# KiCad board st251_20934.kicad_pcb (continued)
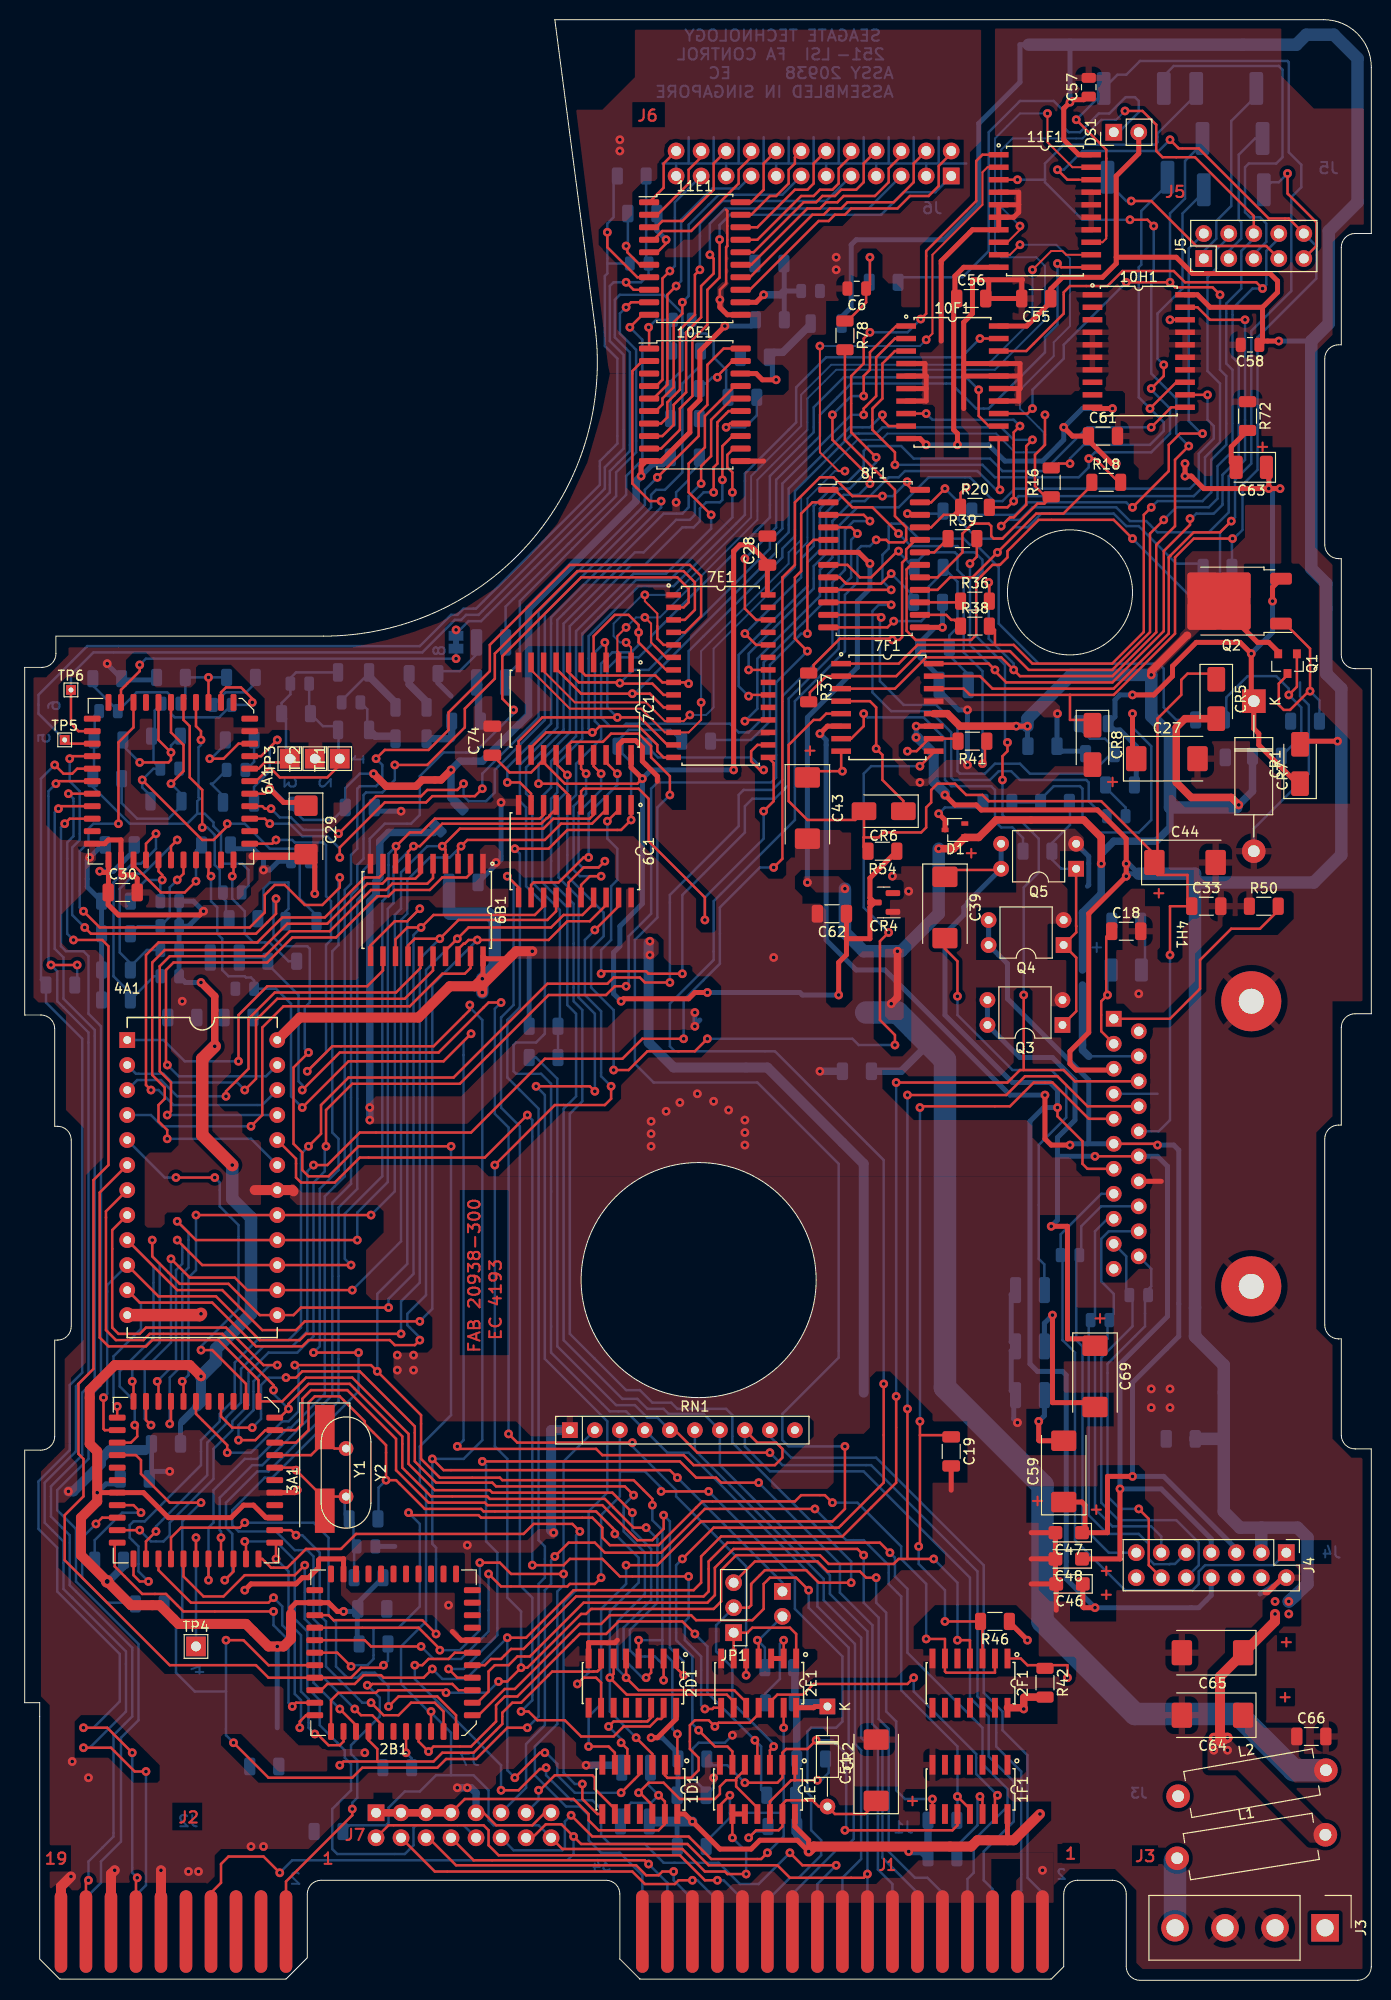
[diagram p0: board, top side]
## Routing (per net, layer and track width the routed paths; a pad name or vN(x,y) marks a point on that pad's centre or on a via; arc(x,y) is an arc through that point) (continued)
  Bottom w0.254: v1(13.46,60.83) 15.37,62.74 15.37,72.14 16,72.77 16,74.68 v1(15.49,75.18) ; v1(33.15,72.64) 32.51,73.28 32.51,77.85 36.32,81.66 36.32,109.6 36.96,110.24 36.96,114.43 v1(37.72,115.19)
/Digital/D6: length 104.1
  Top w0.254: v1(15.49,77.09) 17.4,75.18 v1(33.78,75.18) ; v1(14.73,56.52) 14.86,56.64 3A1.14 ; 6B1.7 38.93,114.63 v1(39.5,115.19) 40.13,115.19 42.42,117.48 52.46,117.48 53.04,118.05 53.12,118.05 53.31,118.24 53.31,118.32 53.98,118.99 6C1.7
  Bottom w0.254: v1(14.73,56.52) 14.73,61.21 16,62.48 16,71.76 16.64,72.39 16.64,75.95 v1(15.49,77.09) ; v1(33.78,75.18) 33.78,77.98 36.88,81.08 36.88,108.83 37.46,109.42 37.46,113.16 v1(39.5,115.19)
/Digital/D7: length 98.3
  Top w0.254: v1(16,60.83) 16.13,60.71 3A1.13 ; 6C1.4 57.79,118.38 57.39,117.98 53.7,117.98 52.68,116.97 44.2,116.97 v1(42.42,115.19) 42.74,114.86 6B1.4 ; v1(17.4,77.72) v1(35.18,77.72)
  Bottom w0.254: v1(16,60.83) 16.64,61.47 16.64,71.37 17.4,72.14 v1(17.4,77.72) ; v1(42.42,115.19) 40.89,115.19 38.23,112.52 38.23,108.84 37.59,108.2 37.59,80.14 v1(35.18,77.72)
/Digital/DEBUG_PIN: length 15
  Top w0.254: v1(7.24,46.36) 7.88,46.99 3A1.26
  Bottom w0.254: v1(7.24,46.36) 5.84,44.96 5.84,40.89 8.38,38.35 11.36,38.35
/Digital/DIRECTION: length 21.5
  Top w0.254: 57.79,124.46 57.79,123.32 v1(58.55,122.56) ; 6C1.15 55.24,111.51 56.77,113.03 58.29,113.03 v1(58.93,113.67)
  Bottom w0.254: v1(58.93,113.67) 58.29,113.03 56.64,113.03 56.26,113.41 56.26,118.62 58.55,120.9 v1(58.55,122.56)
/Digital/EMS: length 18.5
  Top w0.254: 2E1.11 74.55,27.05 73.66,26.16 70.48,26.16 v1(70.1,25.78) 69.47,26.42 68.07,26.42 67.56,25.91 67.56,23.5 68.45,22.61 68.45,21.34 67.68,20.56 65.29,20.56 65.02,20.83 1D1.2
/Digital/MCU_INDEX: length 35.3
  Top w0.254: 33.65,25.27 33.65,25.91 v1(32,27.56) ; v1(28.45,42.16) 27.43,41.15 22.35,41.15 20.19,38.99 18.16,38.99 16.13,41.02 3A1.33
  Bottom w0.254: v1(32,27.56) 29.34,30.23 29.34,35.81 28.45,36.7 v1(28.45,42.16)
/Digital/PA2: length 31.2
  Top w0.254: 2B1.39 28.57,26.92 27.94,26.29 v1(27.94,25.65) ; v1(25.27,38.86) 24.77,38.35 16.89,38.35 13.59,41.66 3A1.31
  Bottom w0.254: v1(25.27,38.86) 26.16,37.97 26.16,36.07 27.43,34.8 27.43,29.08 28.07,28.45 28.07,26.29 27.94,26.16 v1(27.94,25.65)
/Digital/PHI2: length 94.4
  Top w0.254: 2D1.6 59.82,31.12 v1(59.44,30.73) 61.15,29.02 71.31,29.02 72.01,28.32 2E1.9 ; v1(62.1,24.64) 63.75,22.99 1D1.3 ; 3A1.4 27.56,54.61 28.83,55.88 28.83,58.67 29.46,59.31 32,59.31 34.54,56.77 34.54,56.52 36.7,54.36 v1(36.7,50.8) 37.72,50.8 40.64,47.88 46.35,47.88 46.61,47.62 58.04,47.62 59.94,45.72 v1(59.94,45.34)
  Bottom w0.254: R80.2 35.94,46.92 35.94,50.04 v1(36.7,50.8) ; v1(59.94,45.34) 62.36,42.93 62.36,40.39 59.44,37.47 v1(59.44,30.73) 59.44,27.31 v1(62.1,24.64)
/Digital/R/~{W}: length 92.7
  Top w0.254: v1(26.54,61.21) 27.56,61.21 28.19,61.85 34.04,61.85 39.62,56.26 39.62,52.71 41.78,50.55 47.5,50.55 47.88,50.17 60.96,50.17 v1(61.85,49.28) ; 2E1.10 73.28,28.25 72.06,29.46 71.75,29.46 71.75,29.47 62.35,29.47 v1(61.09,30.73) 2D1.5 ; v1(23.11,56.13) 21.08,56.13 19.94,57.28 3A1.10
  Bottom w0.254: v1(26.54,61.21) 24.77,61.21 24,60.45 24,57.02 v1(23.11,56.13) ; v1(61.09,30.73) 60.2,31.62 60.2,36.45 62.99,39.24 62.99,43.43 60.83,45.59 60.83,48.26 v1(61.85,49.28)
/Digital/~{0100}: length 107.3
  Top w0.254: 6C1.11 50.16,111 v1(49.02,112.14) ; v1(50.42,27.31) 51.18,27.31 52.07,26.42 54.86,26.42 56.51,24.77 59.82,24.77 60.83,25.78 63.5,25.78 64.26,26.54 64.64,26.54 64.9,26.8 2D1.15
  Bottom w0.254: v1(49.02,112.14) 49.66,111.51 49.66,99.06 48.39,97.79 48.39,88.65 50.29,86.74 50.29,40.13 51.56,38.86 51.56,28.45 v1(50.42,27.31)
/Digital/~{0101}: length 10.4
  Top w0.254: 2D1.14 63.63,26.67 63.25,26.29 59.82,26.29 v1(59.31,25.78) ; v1(60.58,24.13) 61.21,23.5 1D1.5
  Bottom w0.254: v1(60.58,24.13) 60.58,24.51 v1(59.31,25.78)
/Digital/~{0105}: length 113.1
  Top w0.254: v1(56.13,30.1) 56.77,30.73 58.04,30.73 58.55,30.23 2D1.10 ; 53.98,124.46 53.98,123.57 v1(55.12,122.43) ; v1(57.91,90.3) 57.4,90.81 v1(51.94,90.81)
  Bottom w0.254: v1(57.91,90.3) 57.91,98.17 56.26,99.82 56.26,109.98 54.23,112.01 54.23,119.89 55.12,120.78 v1(55.12,122.43) ; v1(51.94,90.81) 52.83,89.92 52.83,63.12 59.18,56.77 59.18,49.53 57.28,47.62 57.28,31.24 v1(56.13,30.1)
/Digital/~{0107}: length 35.7
  Top w0.254: 35.81,22.23 35.81,23.5 34.92,24.39 2B1.43 ; 35.81,22.23 41.53,22.23 42.42,23.11 45.59,23.11 48.51,26.04 48.51,27.18 49.53,28.19 50.42,28.19 53.58,31.36 57.77,31.36 57.79,31.37 58.17,31.37 58.55,31.75 2D1.7 ; 35.81,22.23 32.38,22.23 v1(32,21.84)
/Digital/~{EMS}: length 153.7
  Top w0.254: v1(63.75,48.26) 63.75,48.9 61.85,50.8 48.51,50.8 48.26,51.05 42.16,51.05 40.26,52.96 40.26,57.4 v1(35.81,61.85) 35.18,62.48 v1(27.43,62.48) ; v1(40.13,108.84) 38.86,107.57 37.59,107.57 35.12,105.1 6B1.11 ; v1(66.29,25.02) 1D1.1 ; v1(62.36,34.54) 2D1.4 ; 3A1.12 17.4,57.53 20.57,54.36 v1(20.57,53.59)
  Bottom w0.254: v1(35.81,61.85) 35.81,69.72 38.86,72.77 38.86,107.57 v1(40.13,108.84) ; 64.77,34.54 v1(62.36,34.54) ; 64.77,34.54 64.77,45.72 63.75,46.74 v1(63.75,48.26) ; 64.77,34.54 64.77,33.4 65.79,32.39 65.79,25.53 v1(66.29,25.02) ; v1(27.43,62.48) 27.81,62.1 27.81,57.79 26.8,56.77 26.16,56.77 22.99,53.59 v1(20.57,53.59)
/Digital/~{HALFSTEP}: length 19.1
  Top w0.254: v1(57.02,122.56) 56.51,123.06 56.51,124.46 ; 6C1.16 56.51,111.25 57.4,112.14 v1(58.55,112.14)
  Bottom w0.254: v1(57.02,122.56) 57.02,120.52 55.75,119.25 55.75,112.78 56.39,112.14 v1(58.55,112.14)
/Digital/~{LATCHED_DIR}: length 25.7
  Top w0.254: 2B1.41 32.38,24.26 32,23.88 30.86,23.88 29.72,25.02 v1(29.46,25.02) ; v1(25.53,42.8) 25.53,44.32 3A1.40
  Bottom w0.254: v1(29.46,25.02) 28.83,25.65 28.83,28.58 28.07,29.34 28.07,35.05 26.8,36.32 26.8,41.53 v1(25.53,42.8)
/Digital/~{MCU_READY_OUT}: length 51.2
  Top w0.254: 2B1.6 43.81,26.93 41.91,28.83 37.97,28.83 v1(36.96,27.81) ; 3A1.32 14.86,44.96 15.88,45.97 21.84,45.97 v1(22.35,46.48)
  Bottom w0.254: v1(22.35,46.48) 29.34,46.48 30.86,44.96 30.86,37.08 31.62,36.32 31.62,31.88 32.77,30.73 33.78,30.73 34.29,31.24 35.56,31.24 36.96,29.84 v1(36.96,27.81)
/Digital/~{MCU_TRK0_OUT}: length 34.3
  Top w0.254: v1(35.18,28.19) 36.45,26.92 37.97,26.92 39.24,28.19 41.66,28.19 42.54,27.31 2B1.5 ; v1(27.56,45.21) 27.05,45.72 3A1.41
  Bottom w0.254: v1(35.18,28.19) 34.29,28.19 30.61,31.88 30.61,36.45 29.97,37.08 29.97,43.43 28.19,45.21 v1(27.56,45.21)
/Digital/~{MCUSTEP}: length 33.4
  Top w0.254: 3A1.28 9.14,44.2 9.14,42.04 11.94,39.24 14.35,39.24 16.13,37.47 v1(25.27,37.47) ; v1(27.18,27.81) 27.56,28.19 2B1.38
  Bottom w0.254: v1(25.27,37.47) 25.27,36.07 26.8,34.54 26.8,28.19 v1(27.18,27.81)
/Digital/~{RECOVERY_MODE}: length 66.9
  Top w0.254: 3A1.39 24.13,42.8 25.02,41.91 26.67,41.91 28.57,43.82 32.13,43.82 33.66,45.34 50.67,45.34 51.69,46.36 55.63,46.36 v1(56.39,45.59) ; v1(56.64,19.94) 56.64,18.42 58.17,16.89 1D1.8
  Bottom w0.254: v1(56.64,19.94) 55.88,19.94 54.74,21.08 54.74,38.35 56.01,39.62 56.01,45.21 v1(56.39,45.59)
ALL_PHASES_ON: length 43.1
  Top w0.254: v1(75.06,118.75) 76.07,119.76 76.07,123.65 7E1.15 ; v1(69.09,107.7) 69.09,109.98 63.37,115.7 63.37,120.02 62.36,121.03 56.77,121.03 56.51,120.78 6C1.5
  Bottom w0.254: v1(69.09,107.7) 69.09,109.98 75.06,115.95 v1(75.06,118.75)
CS_: length 83.8
  Top w0.254: 6C1.2 60.32,118.87 v1(59.18,117.73) ; v1(84.58,146.94) 83.95,147.57 8F1.4 ; v1(58.55,102.24) 58.8,102.49 63.12,102.49 63.37,102.24 v1(66.8,102.24)
  Bottom w0.254: v1(59.18,117.73) 59.18,115.95 60.2,114.94 60.2,111.76 59.56,111.12 59.56,105.66 58.55,104.65 v1(58.55,102.24) ; v1(84.58,146.94) 83.95,146.3 83.95,142.49 82.68,141.22 82.68,135.25 77.6,130.18 77.6,121.41 76.2,120.02 73.91,120.02 73.15,119.25 73.15,116.59 66.8,110.24 v1(66.8,102.24)
DC_UNSAFE: length 174.8
  Top w0.254: 6A1.40 25.15,115.44 v1(25.53,115.82) ; v1(41.4,52.96) 42.54,51.82 65.53,51.82 v1(66.29,51.05) ; v1(41.78,35.18) 40.39,36.58 31.37,36.58 30.86,37.08 2B1.31 ; v1(45.21,99.06) 45.21,98.55 41.53,94.87 31.24,94.87 v1(28.7,92.33)
  Bottom w0.254: v1(66.29,51.05) 76.96,40.39 76.96,39.88 ; v1(25.53,115.82) 27.18,115.82 27.43,115.57 30.35,115.57 30.61,115.32 30.61,110.11 31.12,109.6 31.12,105.66 30.61,105.16 30.61,94.23 v1(28.7,92.33) ; v1(45.21,99.06) 45.21,98.81 46.48,97.54 46.48,54.86 44.58,52.96 v1(41.4,52.96) 41.4,44.32 41.78,43.94 v1(41.78,35.18)
DRVSEL_OUT: length 41
  Top w0.254: v1(34.8,29.97) 35.18,29.97 35.31,30.1 43.43,30.1 44.07,29.46 2B1.9 ; v1(33.27,17.4) 33.27,16.76 26.54,10.03 J2.1
  Bottom w0.254: v1(33.27,17.4) 33.27,18.03 33.78,18.54 33.78,22.35 33.15,22.99 33.15,23.88 36.07,26.8 36.07,28.7 v1(34.8,29.97)
HALL: length 104.1
  Top w0.254: v1(82.04,48.51) 81.28,49.28 78.87,49.28 78.23,48.64 68.83,48.64 64.39,44.2 59.44,44.2 58.67,44.96 58.67,45.97 57.66,46.99 46.35,46.99 46.1,47.24 39.24,47.24 v1(38.99,47.5) ; v1(91.57,34.67) 93.47,34.67 93.47,31.37 93.6,31.24 98.55,31.24 2F1.2 ; 2B1.34 31.75,33.27 v1(33.15,31.88)
  Bottom w0.254: v1(91.57,34.67) 91.57,40.26 89.03,42.8 89.03,44.07 84.58,48.51 v1(82.04,48.51) ; v1(33.15,31.88) 33.27,32 34.8,32 35.43,32.64 35.43,35.69 35.56,35.81 37.97,35.81 40.13,37.97 40.13,46.36 v1(38.99,47.5)
INDEX_OUT: length 73.9
  Top w0.254: 2B1.12 43.69,33.27 43.05,32.64 41.02,32.64 40.39,32 v1(39.62,32) ; v1(82.42,11.68) 78.99,11.68 v1(77.72,12.95) ; v1(52.96,21.59) 52.83,21.46 52.32,21.46 50.16,19.3 v1(48.39,19.3)
  Bottom w0.254: v1(48.39,19.3) 48.39,21.84 39.62,30.61 v1(39.62,32) ; J1.20 80.52,9.78 v1(82.42,11.68) ; v1(52.96,21.59) 52.96,20.83 55.5,18.29 57.66,18.29 58.55,17.4 58.55,14.73 59.44,13.84 62.99,13.84 64.9,11.94 70.48,11.94 72.64,9.78 74.55,9.78 v1(77.72,12.95)
LIFE_TEST: length 57.8
  Top w0.254: v1(22.35,44.58) 22.48,44.45 3A1.38
  Bottom w0.254: v1(22.35,44.58) 25.53,44.58 27.43,42.67 27.43,36.7 28.7,35.43 28.7,29.72 29.97,28.45 29.97,25.91 32.51,23.37 32.51,22.61 33.15,21.97 33.15,19.3 31.24,17.4 31.24,13.34 31.75,12.83 38.61,12.83 39.5,13.72 39.5,15.49 39.75,15.75 44.58,15.75 J7.10
MTA+: length 83.6
  Top w0.2: 7C1.1 61.6,135.38 v1(61.09,135.89) ; 108.33,175.26 105.79,175.26 105.41,175.64 104.27,175.64 v1(102.36,173.74) ; 64.26,137.54 64.26,138.81 62.99,140.08 v1(62.99,140.72)
  Top w0.254: 64.26,137.54 64.26,136.27 64.9,135.64 7E1.5
  Bottom w0.2: v1(102.36,173.74) 102.36,168.66 97.79,164.08 81.91,164.08 78.87,161.04 78.87,157.86 73.79,152.78 73.79,148.59 65.91,140.72 v1(62.99,140.72) 62.74,140.72 59.82,137.8 59.82,136.53 60.45,135.89 v1(61.09,135.89)
MTA-: length 106.8
  Top w0.2: v1(103.89,189.61) 103.89,186.69 106.43,184.15 11F1.19 ; v1(62.99,138.43) 63.63,137.8 63.63,135.89 64.01,135.51 ; 7C1.2 60.32,134.87 60.2,135 60.2,136.53 v1(61.09,137.41)
  Top w0.254: 7E1.6 65.15,134.37 64.01,135.51
  Bottom w0.2: v1(103.89,189.61) 101.09,189.61 98.55,187.07 98.55,175.64 99.19,175.01 102.74,175.01 103.63,174.12 103.63,168.66 98.55,163.58 82.42,163.58 79.5,160.66 79.5,157.48 74.42,152.4 74.42,148.34 64.52,138.43 v1(62.99,138.43) 62.1,138.43 v1(61.09,137.41)
MTB+: length 119.3
  Top w0.254: 7C1.4 57.79,136.53 59.94,138.68 61.34,138.68 62.36,137.67 v1(62.36,136.91) 62.36,135.89 65.15,133.1 7E1.7 ; 10H1.12 v1(120.14,161.04)
  Bottom w0.254: v1(120.14,161.04) 120.14,158.5 120.78,157.86 120.78,156.59 119.25,155.07 119.25,152.4 118.36,151.51 100.58,151.51 99.31,150.24 98.42,150.24 96.01,152.65 91.82,152.65 88.77,149.61 84.58,149.61 82.68,147.7 82.68,143.89 81.41,142.62 81.41,140.21 75.06,133.86 75.06,128.27 73.53,126.75 72.52,126.75 71.63,127.64 61.09,127.64 60.83,127.38 59.44,127.38 58.55,128.27 58.55,133.73 59.69,134.87 61.6,134.87 62.36,135.64 v1(62.36,136.91)
MTB-: length 126.7
  Top w0.254: 7C1.5 56.51,132.97 56.96,132.53 64.07,132.53 64.77,131.83 67.31,131.83 v1(67.44,131.7) ; v1(102.36,156.46) 101.73,155.83 101.73,149.86 100.46,148.59 100.08,148.59 v1(99.19,147.7) ; 10H1.19 119.13,169.93 120.4,168.66 v1(123.95,168.66)
  Bottom w0.254: v1(123.95,168.66) 123.95,154.43 122.3,152.78 122.3,149.1 120.27,147.07 115.06,147.07 113.92,148.21 112.27,148.21 110.87,149.61 102.36,149.61 101.09,148.34 99.82,148.34 v1(99.19,147.7) ; v1(67.44,131.7) 67.44,135 76.96,144.53 76.96,145.42 78.23,146.69 78.23,151.26 84.07,157.1 86.49,157.1 87.12,157.73 99.19,157.73 100.46,156.46 v1(102.36,156.46)
MTC+: length 62
  Top w0.254: 89.53,166.75 88.39,166.75 86.49,164.85 86.49,160.91 85.22,159.64 v1(85.22,159) ; 7E1.9 64.9,130.56 63.75,131.7 60.51,131.7 v1(60.45,131.75) 60.38,131.83 56.28,131.83 55.24,132.86 7C1.6
  Bottom w0.254: v1(60.45,131.75) 61.79,133.1 63.37,133.1 75.69,145.42 75.69,146.18 76.96,147.45 76.96,152.02 83.95,159 v1(85.22,159)
MTC-: length 57.6
  Top w0.254: 7E1.10 64.9,129.29 63.5,130.68 v1(61.72,130.68) 56.51,130.68 53.98,133.22 7C1.7 ; v1(87.12,159) 87.12,158.5 87.76,157.86 10F1.9
  Bottom w0.254: v1(87.12,159) 85.85,157.73 83.82,157.73 77.6,151.51 77.6,147.07 76.33,145.8 76.33,145.03 61.98,130.68 v1(61.72,130.68)
MTD+: length 97.4
  Top w0.2: v1(80.77,165.99) 80.77,155.19 82.68,153.29 v1(83.31,153.29) ; v1(67.56,128.52) 66.93,127.89 65.02,127.89 63.12,129.79 55.88,129.79 52.71,132.97 7C1.8 ; 11F1.2 97.79,184.15 97.28,183.64 97.28,180.34 92.2,175.26 92.2,167.26 v1(91.57,166.62)
  Bottom w0.2: v1(83.31,153.29) 82.3,153.29 79.5,150.5 79.5,146.05 78.23,144.78 78.23,143.51 69.98,135.25 69.98,129.29 69.22,128.52 v1(67.56,128.52) ; v1(91.57,166.62) 90.93,165.99 v1(80.77,165.99)
MTD-: length 106.8
  Top w0.2: v1(101.09,176.28) 100.08,175.26 11F1.9 ; v1(68.71,129.79) 68.71,128.02 67.44,126.75 65.02,126.75 62.61,129.16 55.37,129.16 51.43,133.1 7C1.9
  Bottom w0.2: v1(101.09,176.28) 104.78,176.28 106.17,174.88 106.17,168.02 104.52,166.37 104.52,164.97 101.09,161.54 101.09,159.64 103.5,157.23 103.5,155.83 102.87,155.19 100.58,155.19 98.68,157.1 87.63,157.1 87,156.46 84.58,156.46 78.87,150.75 78.87,146.3 77.6,145.03 77.6,143.89 68.71,135 v1(68.71,129.79)
MTE+: length 84.8
  Top w0.254: 10F1.12 97.93,157.86 96.9,158.89 v1(96.9,161.54) ; 7C1.11 50.16,125.86 52.58,128.27 v1(60.2,128.27) 62.48,128.27 65.28,125.48 7E1.13
  Bottom w0.254: v1(60.2,128.27) 59.18,129.29 59.18,133.22 60.32,134.37 62.36,134.37 63.63,135.64 63.63,136.53 75.69,148.59 75.69,152.78 80.14,157.23 80.14,159.77 83.19,162.81 95.63,162.81 v1(96.9,161.54)
MTE-: length 86.5
  Top w0.254: 7E1.14 64.9,124.21 64.26,124.84 64.26,125.48 62.36,127.38 58.42,127.38 57.79,126.75 v1(57.66,126.75) 52.96,126.75 51.43,125.22 7C1.12 ; 98.93,166.75 v1(97.03,166.75)
  Bottom w0.254: v1(97.03,166.75) 95.12,164.85 81.41,164.85 78.36,161.8 78.36,158.24 73.15,153.04 73.15,148.84 65.91,141.61 62.36,141.61 57.28,136.53 57.28,127.13 v1(57.66,126.75)
READ_DATA: length 126.6
  Top w0.254: v1(36.45,32) 36.2,31.75 34.16,31.75 33.15,30.73 2B1.36 24.77,30.73 23.49,32 14.73,32 4.06,42.67 4.06,47.24 5.97,49.15 5.97,52.96 5.46,53.47 5.46,60.58 6.98,62.1 6.98,81.28 8.51,82.8 8.51,105.03 7.87,105.66 v1(4.95,105.66) ; 6A1.24 v1(4.45,120.52)
  Bottom w0.254: v1(4.95,105.66) 4.32,106.3 4.32,115.57 4.95,116.21 4.95,120.02 v1(4.45,120.52) ; R35.2 36.9,32.45 v1(36.45,32)
READY_OUT: length 81.9
  Top w0.254: v1(79.63,39.62) 78.36,40.89 75.69,40.89 75.06,40.26 75.06,37.72 73.91,36.58 68.2,36.58 67.69,37.08 59.44,37.08 58.55,36.2 56.39,36.2 49.78,29.59 48.77,29.59 46.1,26.92 2B1.7
  Bottom w0.254: v1(79.63,39.62) 79.63,37.85 83.69,33.78 83.69,23.62 84.2,23.11 84.2,14.35 83.44,13.59 82.8,13.59 77.98,8.76 J1.22
RECOVERY_MODE: length 13.8
  Top w0.254: v1(52.2,19.3) 52.32,19.3 53.85,20.83 57.66,20.83 57.91,20.57 57.91,19.43 59.94,17.4 1D1.9
  Bottom w0.254: J7.13 52.2,18.29 v1(52.2,19.3)
RING: length 167.3
  Top w0.254: 8F1.24 90.17,151.38 89.63,151.92 v1(89.63,152.21) ; 3A1.30 12.32,44.58 v1(13.34,45.59) ; v1(87.12,150.75) 84.07,150.75 82.17,152.65 80.77,152.65 78.23,150.11 78.23,143.76 76.96,142.49 76.96,113.92 v1(76.07,113.03) ; v1(29.34,82.8) 30.73,82.8 34.04,86.11 45.34,86.11 52.83,93.6 60.71,93.6 62.74,95.63 v1(66.93,95.63)
  Bottom w0.254: v1(89.63,152.21) 88.18,150.75 v1(87.12,150.75) ; v1(76.07,113.03) 74.68,113.03 70.61,108.97 70.61,103.25 66.93,99.57 v1(66.93,95.63) ; v1(13.34,45.59) 13.34,46.1 18.54,51.31 18.54,54.61 20.45,56.52 20.45,57.15 21.97,58.67 21.97,62.1 24.26,64.39 27.18,64.39 28.7,65.91 28.7,82.17 v1(29.34,82.8)
RIWR1: length 56.3
  Top w0.254: 6C1.9 51.43,120.52 50.29,121.67 v1(49.02,121.67) ; v1(64.64,150.24) 63.5,150.24 61.72,152.02 61.72,163.45 62.74,164.47 10E1.2
  Bottom w0.254: v1(49.02,121.67) 49.02,123.19 53.47,127.64 53.47,138.43 64.64,149.61 v1(64.64,150.24)
RIWR2: length 51.1
  Top w0.254: 10E1.13 71.88,156.85 70.87,155.83 v1(70.87,152.4) ; v1(52.2,121.54) 54.1,121.54 55.24,120.4 6C1.6
  Bottom w0.254: v1(70.87,152.4) 70.87,150.37 70.61,150.11 69.22,150.11 68.58,149.48 68.58,148.21 67.94,147.57 66.8,147.57 62.99,143.76 61.6,143.76 55.37,137.54 55.37,126.75 52.2,123.57 v1(52.2,121.54)
S1: length 139.5
  Top w0.254: 3A1.37 21.21,41.53 v1(20.32,40.64) ; v1(49.66,129.03) 48.51,130.18 48.51,134.49 56.51,142.49 66.29,142.49 67.44,141.35 67.44,139.95 66.93,139.45 7E1.2
  Bottom w0.254: v1(49.66,129.03) 49.66,128.65 45.72,124.71 42.54,124.71 40.13,122.3 40.13,118.36 39.24,117.48 36.58,117.48 35.05,115.95 35.05,113.41 34.42,112.78 34.42,110.36 33.78,109.73 33.78,80.39 31.88,78.49 31.88,58.8 24.77,51.69 23.62,51.69 20.45,48.51 20.45,45.97 21.08,45.34 21.08,41.4 v1(20.32,40.64)
S2: length 136.7
  Top w0.254: 3A1.36 v1(19.94,44.96) ; 7E1.3 67.06,138.18 68.07,139.19 68.07,141.99 66.93,143.13 56.13,143.13 47.75,134.75 47.75,132.21 44.7,129.16 44.7,127.25 40.89,123.44 v1(37.59,123.44)
  Bottom w0.254: v1(37.59,123.44) 37.59,121.92 36.32,120.65 34.67,120.65 34.42,120.4 34.42,113.92 33.78,113.28 33.78,110.87 33.15,110.24 33.15,80.9 31.24,78.99 31.24,59.44 24.13,52.32 23.11,52.32 19.81,49.02 19.81,45.72 19.94,45.59 v1(19.94,44.96)
S3: length 146.8
  Top w0.254: v1(35.69,124.08) 36.58,124.97 41.02,124.97 43.05,127 43.05,128.78 47.24,132.97 47.24,135.64 55.37,143.76 67.56,143.76 68.71,142.62 68.71,138.56 67.06,136.91 7E1.4 ; 3A1.35 v1(18.67,40.64)
  Bottom w0.254: v1(35.69,124.08) 36.32,123.44 36.32,121.92 35.69,121.29 34.04,121.29 33.78,121.03 33.78,114.94 33.15,114.3 33.15,111.38 32.51,110.74 32.51,81.66 30.48,79.63 30.48,59.56 27.05,56.13 26.8,56.13 23.62,52.96 22.35,52.96 19.18,49.78 19.18,46.48 18.67,45.97 v1(18.67,40.64)
SEEK_COMP: length 94.9
  Top w0.254: v1(87.88,43.43) 86.87,44.45 71.37,44.45 69.47,42.55 69.47,39.5 68.96,38.99 56.01,38.99 50.67,33.66 49.4,33.66 48.39,32.64 47.37,32.64 46.74,32 2B1.11
  Bottom w0.254: v1(87.88,43.43) 88.39,42.93 88.39,41.02 89.66,39.75 89.66,33.27 97.28,25.65 97.28,21.97 99.82,19.43 99.82,17.65 96.39,14.22 96.39,10.92 95.76,10.29 J1.8
SERIAL_CLOCK: length 166.6
  Top w0.254: v1(12.57,40.51) 11.68,40.51 11.05,41.15 3A1.29 ; v1(28.83,84.71) 30.1,85.98 30.1,88.9 32.89,91.69 43.56,91.69 53.09,101.22 59.18,101.22 59.82,101.85 62.48,101.85 62.99,101.35 v1(65.53,101.35) ; 8F1.3 85.22,148.84 v1(85.85,148.21)
  Bottom w0.254: v1(85.85,148.21) 84.2,148.21 83.31,147.32 83.31,143.26 82.04,141.99 82.04,135.51 76.96,130.43 76.96,121.92 75.95,120.9 73.03,120.9 72.52,120.4 72.52,117.22 65.53,110.24 v1(65.53,101.35) ; v1(12.57,40.51) 11.56,41.53 11.56,44.07 10.67,44.96 10.67,46.23 11.05,46.61 12.19,46.61 17.91,52.32 17.91,54.86 19.81,56.77 19.81,57.53 21.34,59.06 21.34,62.74 23.62,65.02 26.8,65.02 28.07,66.29 28.07,83.95 v1(28.83,84.71)
SERIAL_DATA: length 159.7
  Top w0.254: v1(79.5,135) 78.23,136.27 78.23,142.49 78.87,143.13 78.87,148.97 80.01,150.11 8F1.2 ; v1(11.68,45.72) 11.68,45.72 3A1.27 ; v1(30.61,84.71) 30.61,88.39 33.27,91.06 44.2,91.06 53.21,100.08 59.05,100.08 59.94,100.97 v1(61.09,100.97)
  Bottom w0.254: v1(61.09,100.97) 61.34,101.22 61.34,106.05 63.63,108.33 63.63,121.03 64.26,121.67 75.82,121.67 76.33,122.17 76.33,131.83 v1(79.5,135) ; v1(11.68,45.72) 12.83,44.58 14.1,44.58 14.73,45.21 14.73,46.48 19.18,50.93 19.18,53.98 21.08,55.88 21.08,56.77 22.73,58.42 22.73,61.72 24.77,63.75 27.69,63.75 29.34,65.41 29.34,81.03 30.48,82.17 30.48,84.58 v1(30.61,84.71)
SYS_CLOCK: length 244.2
  Top w0.254: 101.47,92.46 v1(101.47,100.08) ; 101.47,92.46 105.54,92.46 106.68,91.31 4H1.6 ; 101.47,92.46 101.09,92.46 99.82,91.19 v1(88.52,91.19) ; 8F1.1 82.3,151.38 84.07,149.61 86.11,149.61 88.76,146.95 v1(88.76,146.94) ; v1(99.82,125.73) 99.82,124.84 99.31,124.33 v1(99.31,121.92) ; v1(88.52,59.31) 88.52,50.55 83.06,45.09 70.74,45.09 68.71,43.05 68.71,40.39 67.94,39.62 55.75,39.62 50.93,34.8 v1(49.02,34.8) ; v1(60.58,19.05) 62.48,20.96 1D1.4 ; v1(52.83,23.11) 52.32,23.11 v1(49.78,20.57) ; 2B1.37 30.1,29.46 30.73,30.1 33.53,30.1 34.42,30.99 36.2,30.99 36.45,30.73 40.51,30.73 v1(41.4,31.62)
  Bottom w0.254: v1(52.83,23.11) 52.96,23.11 54.1,21.97 54.1,20.83 55.88,19.05 v1(60.58,19.05) ; v1(99.31,121.92) 99.31,118.36 99.82,117.86 101.09,117.86 103,115.95 103,112.52 101.47,111 v1(101.47,100.08) ; v1(88.52,59.31) v1(88.52,91.19) ; v1(49.78,20.57) 49.02,21.34 v1(49.02,34.8) 44.83,30.61 42.42,30.61 v1(41.4,31.62) ; v1(88.76,146.94) 90.03,145.67 94.74,145.67 95.38,145.03 96.52,145.03 97.28,144.27 97.28,143.13 96.65,142.49 96.65,136.53 99.57,133.6 99.57,125.98 v1(99.82,125.73)
TRK0_OUT: length 91.6
  Top w0.254: 2B1.8 45.97,28.19 47.12,29.34 47.12,31.37 47.75,32 49.15,32 50.04,32.89 51.31,32.89 56.77,38.35 69.34,38.35 70.1,39.12 70.1,41.91 72.01,43.82 84.58,43.82 v1(85.22,43.18)
  Bottom w0.254: v1(85.22,43.18) 85.22,38.35 86.74,36.83 86.74,26.54 87.76,25.53 87.76,13.08 90.42,10.41 91.69,10.41 93.22,8.89 J1.10
VAA: length 135.1
  Top w0.508: v1(126.36,151.51) 126.36,153.43 C63.1 ; v1(126.36,151.51) v1(127.51,151.51) ; v1(126.36,151.51) 119.76,151.51 118.49,152.78 v1(117.86,152.78) v1(117.86,154.05) ; v1(110.49,159.64) 108.58,159.64 10H1.10 ; 11F1.10 95.38,173.99 94.49,173.1 94.49,170.99 C56.1 94.36,170.51 94.36,157.48 94.74,157.1 v1(94.74,155.96) ; v1(110.87,154.05) 110.43,154.05 108.05,156.43 C61.1 106.43,156.85 v1(105.54,157.73) ; v1(126.75,140.08) 126.75,141.5 Q2.3 ; CR1.1 129.29,121.54 125.35,125.48 125.35,126.62 124.84,127.13 CR7.1 124.59,130.18 v1(124.59,134.75) 123.44,135.89 119,135.89 116.59,133.48 116.59,132.46 114.68,130.56 v1(112.52,130.56) ; 10F1.10 90.93,156.59 v1(91.57,155.96)
  Bottom w0.508: v1(124.59,134.75) 126.75,136.91 v1(126.75,140.08) 126.75,151.13 v1(126.36,151.51) v1(127.51,151.51) ; v1(110.49,159.64) 107.44,159.64 v1(105.54,157.73) 105.54,156.46 103.38,154.31 99.57,154.31 97.92,155.96 v1(91.57,155.96) ; v1(112.52,130.56) 111.25,130.56 110.74,130.05 110.74,128.33 R52.1 110.68,127 111.25,127 112.9,125.35 112.9,121.6 112.59,121.29
WRT_OK: length 165.9
  Top w0.254: v1(5.97,108.59) 7.62,106.93 22.86,106.93 24.38,108.46 24.38,110.24 25.4,111.25 26.42,111.25 28.45,109.22 30.23,109.22 32,111 v1(32,112.01) ; v1(29.34,63.75) v1(33.91,63.75) ; 36.19,25.27 36.19,26.04 35.31,26.92 34.16,26.92 v1(33.53,27.56) ; v1(9.52,117.48) 9.52,125.73 11.05,127.25 6A1.15
  Bottom w0.254: v1(5.97,108.59) 5.59,108.97 5.59,114.68 6.48,115.57 6.48,116.97 6.98,117.48 v1(9.52,117.48) ; v1(33.53,27.56) 29.97,31.12 29.97,36.07 29.34,36.7 29.34,43.05 28.7,43.69 27.43,43.69 25.53,45.59 21.72,45.59 21.08,46.23 21.08,47.75 24.38,51.05 25.15,51.05 33.91,59.82 v1(33.91,63.75) ; v1(29.34,63.75) 29.97,64.39 29.97,80.39 31.88,82.3 31.88,85.47 31.24,86.11 31.24,104.52 31.88,105.16 31.88,111.89 v1(32,112.01)
WRTFLT_OUT: length 108.7
  Top w0.254: 2B1.10 43.94,30.73 v1(43.05,31.62) ; v1(46.48,52.71) 66.55,52.71 68.2,51.05 70.23,51.05 70.74,50.55 v1(74.55,50.55)
  Bottom w0.254: v1(46.48,52.71) 46.86,52.32 46.86,44.58 48.01,43.43 48.01,35.05 44.58,31.62 v1(43.05,31.62) ; J1.12 90.68,8.89 87.12,12.45 87.12,25.02 86.11,26.04 86.11,36.07 82.8,39.37 82.8,42.29 v1(74.55,50.55)
~{DIR}: length 94.4
  Top w0.254: v1(46.23,42.42) 48.26,42.42 49.4,41.28 v1(54.74,41.28) ; v1(42.16,33.53) 42.16,33.66 40.01,35.81 2B1.32
  Bottom w0.254: 62.74,4.95 62.74,10.67 60.45,12.95 58.55,12.95 57.28,14.22 57.28,16.76 56.39,17.65 54.99,17.65 51.82,20.83 51.82,23.75 54.1,26.04 54.1,39.5 54.74,40.13 v1(54.74,41.28) 54.74,52.71 RN1.2 ; v1(42.16,33.53) 44.2,33.53 46.23,35.56 v1(46.23,42.42)
~{DRV_SEL}: length 220.4
  Top w0.254: J7.16 54.61,13.34 66.8,13.34 69.09,11.05 71.12,11.05 71.37,10.8 v1(73.28,10.8) ; 41.27,27.31 v1(41.27,27.3) 41.27,25.27 ; v1(4.57,124.08) 4.83,124.33 6A1.21 ; v1(43.31,84.71) 33.91,84.71 30.86,81.66 28.83,81.66 28.19,82.3 28.19,84.07 27.3,84.96 27.3,92.71 v1(28.83,94.23) ; v1(6.1,106.93) 6.73,106.3 23.49,106.3 25.53,108.33 v1(25.53,109.86) ; 1E1.9 v1(71.88,14.48)
  Top w0.508: 1E1.10 1E1.9
  Bottom w0.254: J7.16 52.2,15.75 47.62,15.75 47.12,16.26 47.12,19.3 45.59,20.83 43.31,20.83 ; v1(4.57,124.08) 4.57,121.79 5.59,120.78 5.59,115.82 4.83,115.06 4.83,108.2 v1(6.1,106.93) ; R10.1 32.96,15.75 36.7,15.75 36.96,16 36.96,17.53 38.61,19.18 40.13,19.18 41.78,20.83 43.31,20.83 ; v1(25.53,109.86) 25.27,109.6 25.27,105.92 26.16,105.03 28.7,105.03 28.96,104.78 28.96,99.31 28.45,98.81 28.45,94.62 v1(28.83,94.23) ; v1(43.31,84.71) 43.31,57.4 40.13,54.23 40.13,50.42 40.77,49.78 40.77,36.45 38.23,33.91 38.23,30.1 41.02,27.3 v1(41.27,27.3) 41.27,27.18 43.31,25.15 43.31,20.83 ; v1(71.88,14.48) 73.28,13.08 v1(73.28,10.8)
~{INDEX_SYNC}: length 247.9
  Top w0.254: 89.66,42.8 v1(89.66,58.04) ; 89.66,42.8 88.77,42.8 88.26,42.29 81.66,42.29 80.77,43.18 72.26,43.18 70.74,41.66 70.74,38.48 69.98,37.72 57.53,37.72 57.02,37.21 56.51,37.21 51.05,31.75 v1(50.42,31.75) 49.02,30.35 v1(48.13,30.35) ; 89.66,42.8 v1(92.33,42.8) ; v1(57.91,106.68) 60.32,109.09 6C1.19 ; v1(89.66,89.92) 99.69,89.92 101.6,91.82 104.9,91.82 107.95,88.77 4H1.8 ; v1(42.8,29.21) 42.54,29.46 35.94,29.46 35.67,29.2 31.86,29.2 31.11,28.45 31.11,25.27 ; v1(47.75,82.8) 53.85,88.9 58.93,88.9 59.56,89.54 v1(59.56,90.81) ; v1(94.74,34.54) 96.01,34.54 2F1.4
  Bottom w0.254: v1(47.75,82.8) 47.75,54.23 49.02,52.96 49.02,38.86 50.42,37.47 v1(50.42,31.75) ; v1(59.56,90.81) 58.55,91.82 58.55,98.43 56.9,100.08 56.9,105.66 v1(57.91,106.68) ; v1(94.74,34.54) 94.74,40.39 v1(92.33,42.8) ; v1(48.13,30.35) 46.99,29.21 v1(42.8,29.21) ; v1(89.66,58.04) v1(89.66,89.92)
~{RESET}: length 212.6
  Top w0.254: 3A1.21 11.3,53.34 11.81,52.83 11.81,51.44 14.73,48.51 v1(17.91,48.51) ; v1(21.21,24.13) 24.77,20.57 33.27,20.57 34.29,21.59 41.91,21.59 42.8,22.48 45.85,22.48 49.02,25.65 v1(51.05,25.65) ; v1(20.45,34.54) 22.23,34.54 24.77,32 2B1.35 ; 6C1.1 v1(61.6,117.86) 60.58,116.84 55.12,116.84 53.21,114.94 v1(49.78,114.94)
  Bottom w0.254: JP4.1 65.59,127 61.34,127 60.26,125.92 R40.1 60.26,125.03 61.6,123.7 v1(61.6,117.86) ; v1(51.05,25.65) 52.2,26.8 52.2,40.26 52.83,40.89 52.83,44.07 52.2,44.7 52.2,88.52 49.02,91.69 49.02,97.54 50.29,98.81 50.29,114.43 v1(49.78,114.94) ; 20.45,29.34 20.45,24.89 v1(21.21,24.13) ; 20.45,29.34 17.27,29.34 15.37,31.24 15.37,35.69 16,36.32 16,46.61 v1(17.91,48.51) ; 20.45,29.34 v1(20.45,34.54)
~{RETRACT}: length 118.5
  Top w0.254: v1(88.39,95) 88.39,96.01 86.87,97.54 86.87,105.54 v1(87.76,106.43) ; v1(58.93,135.89) 59.05,135.76 7C1.3 ; v1(69.34,95.63) 68.07,94.36 63.25,94.36 61.34,92.46 v1(59.82,92.46) ; 7F1.9 92.33,124.72 v1(90.93,123.32)
  Bottom w0.254: v1(58.93,135.89) 57.91,134.87 57.91,127.89 58.55,127.25 58.55,126.11 56.01,123.57 56.01,120.4 55.12,119.51 55.12,112.14 58.8,108.46 58.8,106.05 57.53,104.78 57.53,100.84 59.82,98.55 v1(59.82,92.46) ; v1(87.76,106.43) 85.22,108.97 85.22,122.56 85.98,123.32 v1(90.93,123.32) ; v1(69.34,95.63) 84.07,95.63 84.71,95 v1(88.39,95)
~{STEP}: length 120.3
  Top w0.254: v1(47.12,41.28) 48.39,40.01 55.12,40.01 55.37,40.26 57.91,40.26 v1(58.55,40.89) ; 2B1.33 34.54,34.54 35.18,33.91 v1(40.26,33.91) ; v1(64.64,49.66) v1(69.47,49.66)
  Bottom w0.254: 60.45,51.69 60.45,49.15 58.55,47.24 v1(58.55,40.89) ; 60.45,51.69 60.45,55.88 ; 60.45,51.69 62.99,51.69 64.64,50.04 v1(64.64,49.66) ; v1(69.47,49.66) 78.23,40.89 78.23,37.72 83.06,32.89 83.06,26.29 82.42,25.65 79.88,25.65 79.5,25.27 79.5,19.05 79.88,18.67 79.88,15.24 80.9,14.22 80.9,12.7 78.61,10.41 77.72,10.41 75.44,8.13 J1.24 ; v1(40.26,33.91) 41.53,32.64 44.32,32.64 47.12,35.43 v1(47.12,41.28)
